# KiCad board jetson-agx-thor-baseboard.kicad_pcb (continued)
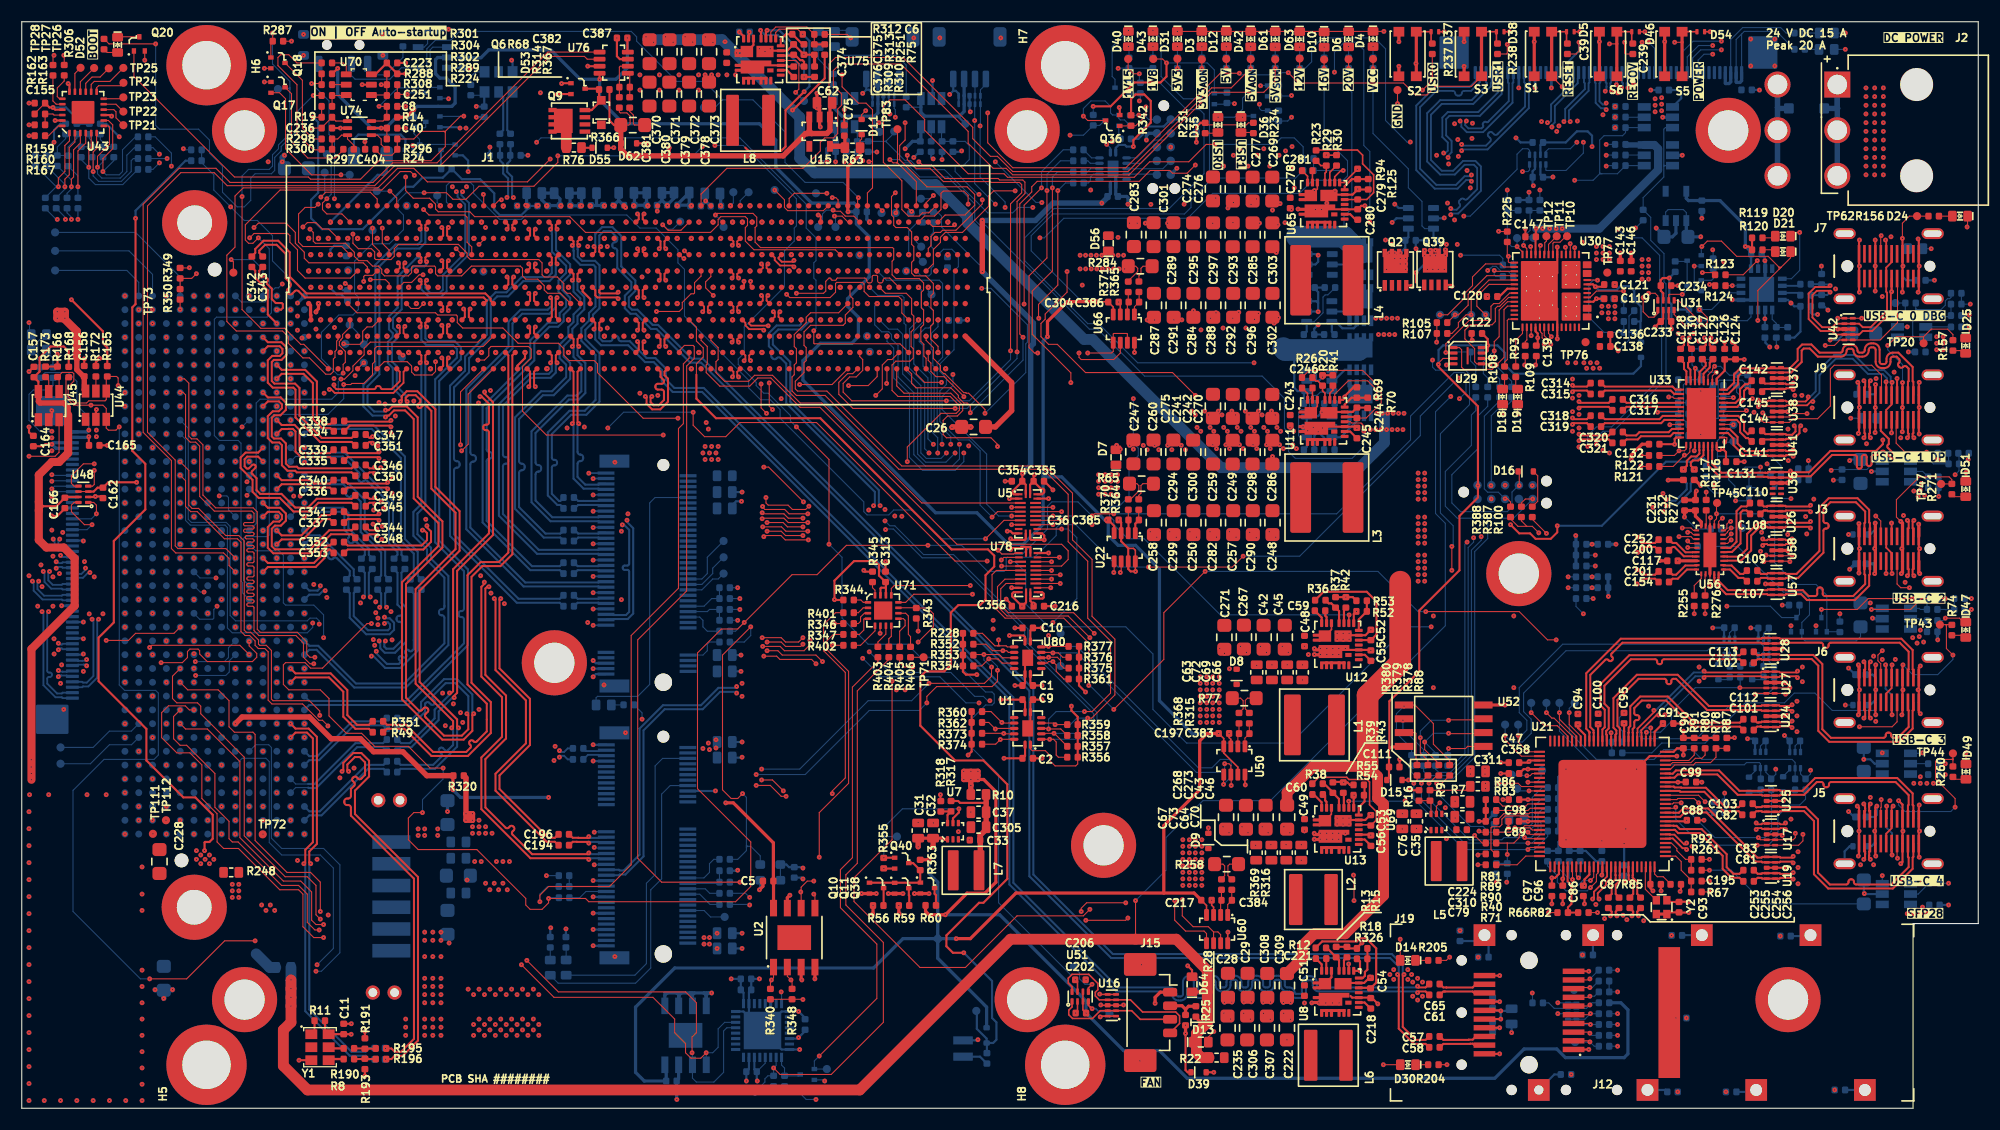
[diagram p0: board, top side]
## Routing (per net, layer and track width the routed paths; a pad name or vN(x,y) marks a point on that pad's centre or on a via; arc(x,y) is an arc through that point) (continued)
/Expansion connector/DP1.TX1-: length 7.1
  Bottom w0.19: J18.Y19 26.45,52.36 27.26,52.36 28.24,51.38 arc(28.31,51.21) 28.24,51.04 28.22,51.01 arc(28.15,50.84) 28.22,50.67 28.3,50.59 arc(28.47,50.52) 28.64,50.59 28.67,50.61 arc(28.84,50.68) 29,50.61 30.17,49.44 30.17,49.02 29.87,48.72 C329.1
/Expansion connector/DP1.TX2+: length 17.2
  Bottom w0.1: 26.34,60.33 25.2,60.33 24.73,60.8
  Bottom w0.19: 26.34,60.33 26.37,60.35 29.69,60.35 34.15,55.89 34.15,52.14 34.93,51.36 34.93,50.93 35.25,50.62 C326.1
/Expansion connector/DP1.TX2-: length 17.2
  Bottom w0.1: 26.35,60 25.2,60 J18.Z13
  Bottom w0.19: 26.35,60 26.37,59.98 29.54,59.98 31.03,58.49 arc(31.1,58.32) 31.03,58.15 31,58.13 arc(30.93,57.96) 31,57.79 31.09,57.7 arc(31.26,57.63) 31.43,57.7 31.45,57.73 arc(31.62,57.8) 31.79,57.73 33.78,55.73 33.78,51.98 34.56,51.2 34.56,50.93 34.25,50.62 C330.1
/Expansion connector/DP1.TX3+: length 10.8
  Bottom w0.1: 26.34,55.25 25.2,55.25 24.73,55.72
  Bottom w0.19: 26.34,55.25 26.37,55.27 29.57,55.27 30.05,54.79 30.05,53.39 31.93,51.51 31.93,50.93 32.25,50.62 C327.1
/Expansion connector/DP1.TX3-: length 10.8
  Bottom w0.1: 26.35,54.92 25.2,54.92 J18.Z17
  Bottom w0.19: 26.35,54.92 26.37,54.9 29.42,54.9 29.68,54.63 29.68,53.23 30.06,52.86 arc(30.13,52.69) 30.06,52.52 30.04,52.49 arc(29.97,52.32) 30.04,52.15 30.12,52.07 arc(30.29,52) 30.46,52.07 30.49,52.09 arc(30.66,52.16) 30.83,52.09 31.56,51.35 31.56,50.93 31.25,50.62 C331.1
/Expansion connector/DP2.AUX+: length 6.2
  Top w0.19: C342.2 21.17,77.41 21.48,77.09 21.48,76.43 22.63,75.28 22.63,73.06 v1(23.47,72.23)
/Expansion connector/DP2.AUX-: length 6.2
  Top w0.19: v1(23.47,73.5) 23.85,73.5 24.02,73.66 24.02,74.01 23.92,74.11 23.37,74.11 23,74.48 23,75.44 22.6,75.84 arc(22.55,75.97) 22.6,76.1 arc(22.65,76.23) 22.6,76.35 22.43,76.52 arc(22.3,76.58) 22.17,76.52 arc(22.05,76.47) 21.92,76.52 21.85,76.59 21.85,77.09 22.17,77.41 C343.2
/Expansion connector/DP2.HPD: length 52.5
  Top w0.1: J1.A19 41.07,65.73 41.07,61.11 v1(40.47,60.51)
  In5.Cu w0.1: v1(40.47,60.51) 39.37,60.51 37.87,59.01 37.87,53.51 35.87,51.51 35.87,44.61 35.47,44.21 35.47,43.51 32.77,40.81 31.97,40.81 29.47,43.31 v1(27.77,43.31)
  Bottom w0.1: J18.C19 21.52,51.31 23.67,51.31 24.07,50.91 24.07,46.51 24.27,46.31 26.87,46.31 27.77,45.41 v1(27.77,43.31)
/Expansion connector/DP2.TX0+: length 9.6
  Top w0.19: v1(23.47,67.15) 23.92,67.6 25.92,67.6 26.78,66.73 26.78,63.43 27.62,62.6 28.39,62.6 28.68,62.31 C334.1
/Expansion connector/DP2.TX0-: length 9.6
  Top w0.19: C338.1 28.68,63.26 28.39,62.97 27.77,62.97 27.15,63.59 27.15,66.89 26.08,67.97 23.92,67.97 v1(23.47,68.42)
/Expansion connector/DP2.TX1+: length 7.7
  Top w0.19: C335.1 28.66,59.61 28.35,59.93 25.69,59.93 25.18,60.43 25.18,62.28 24.94,62.53 24.52,62.53 24.51,62.52 23.92,62.52 v1(23.47,62.07)
/Expansion connector/DP2.TX1-: length 7.7
  Top w0.19: C339.1 28.66,60.61 28.35,60.3 25.85,60.3 25.55,60.59 25.55,62.44 25.1,62.9 24.38,62.9 24.37,62.89 23.92,62.89 v1(23.47,63.34)
/Expansion connector/DP2.TX2+: length 5.7
  Top w0.19: C336.1 28.66,56.81 28.35,57.13 26.74,57.13 26.43,57.44 23.92,57.44 v1(23.47,56.99)
/Expansion connector/DP2.TX2-: length 5.7
  Top w0.19: C340.1 28.66,57.81 28.35,57.5 26.9,57.5 26.59,57.81 23.92,57.81 v1(23.47,58.26)
/Expansion connector/DP2.TX3+: length 6.3
  Top w0.19: v1(23.47,51.91) 23.92,52.36 25.88,52.36 27.75,54.23 28.35,54.23 28.66,53.91 C337.1
/Expansion connector/DP2.TX3-: length 6.3
  Top w0.19: C341.1 28.66,54.91 28.35,54.6 27.59,54.6 25.72,52.73 23.92,52.73 v1(23.47,53.18)
/Expansion connector/DP3.AUX+: length 7.7
  Top w0.19: C352.2 28.66,52.11 28.35,51.8 28.09,51.8 27.48,51.19 27.48,50.79 26.89,50.2 25.73,50.2 25.72,50.19 22.64,50.19 v1(22.2,50.64)
/Expansion connector/DP3.AUX-: length 7.7
  Top w0.19: v1(22.2,49.37) 22.64,49.82 25.86,49.82 25.87,49.83 27.05,49.83 27.85,50.63 27.85,51.03 28.25,51.43 28.35,51.43 28.66,51.11 C353.2
/Expansion connector/DP3.HPD: length 43.6
  Top w0.1: J1.C19 42.45,70.11 32.67,70.11 32.47,69.91 32.47,68.71 32.27,68.51 32.27,67.51 31.47,66.71 30.37,66.71 30.27,66.61 v1(29.62,66.61)
  Bottom w0.1: J18.C22 20.42,48.6 20.42,52.46 20.57,52.61 22.62,52.61 22.77,52.76 22.77,63.46 23.17,63.86 28.17,63.86 29.62,65.31 v1(29.62,66.61)
/Expansion connector/DP3.TX0+: length 15
  Top w0.19: v1(22.2,55.72) 22.64,55.27 23.78,55.27 24.3,54.74 24.3,54.08 23.85,53.63 23.3,53.63 23,53.33 23,51.74 23.3,51.45 26.54,51.45 28.29,53.2 30.35,53.2 30.66,53.51 C344.1
/Expansion connector/DP3.TX0-: length 15
  Top w0.19: v1(22.2,54.45) 22.64,54.9 23.62,54.9 23.93,54.58 23.93,54.24 23.69,54 23.14,54 22.63,53.49 22.63,51.58 23.14,51.08 26.7,51.08 28.45,52.83 30.35,52.83 30.66,52.51 C348.1
/Expansion connector/DP3.TX1+: length 16.7
  Top w0.19: C345.1 30.66,55.41 30.35,55.73 27.3,55.73 26.5,54.93 24.99,54.93 23.74,56.18 21.79,56.18 21.23,56.73 21.23,57.83 20.13,58.93 20.13,59.89 20.59,60.35 21.75,60.35 v1(22.2,60.8)
/Expansion connector/DP3.TX1-: length 16.7
  Top w0.19: C349.1 30.66,56.41 30.35,56.1 27.14,56.1 26.34,55.3 25.15,55.3 23.9,56.55 21.95,56.55 21.6,56.89 21.6,57.99 21.18,58.41 arc(21.14,58.52) 21.18,58.63 21.49,58.94 arc(21.54,59.05) 21.49,59.16 21.44,59.21 arc(21.33,59.26) 21.22,59.21 20.91,58.9 arc(20.8,58.86) 20.69,58.9 20.5,59.09 20.5,59.73 20.75,59.98 21.75,59.98 v1(22.2,59.53)
/Expansion connector/DP3.TX2+: length 16.6
  Top w0.19: C346.1 30.66,59.21 30.35,58.9 25.47,58.9 25.32,59.05 24.6,59.05 24.3,59.34 24.3,61.19 23.85,61.65 23.2,61.65 23,61.84 23,63.53 23.25,63.78 23.8,63.78 24.3,64.28 24.3,64.94 23.82,65.43 22.64,65.43 v1(22.2,65.88)
/Expansion connector/DP3.TX2-: length 16.6
  Top w0.19: C350.1 30.66,58.21 30.35,58.53 25.3,58.53 25.15,58.68 24.44,58.68 23.93,59.18 23.93,61.03 23.69,61.28 23.04,61.28 22.63,61.68 22.63,63.69 23.09,64.15 23.64,64.15 23.93,64.44 23.93,64.78 23.66,65.06 22.64,65.06 v1(22.2,64.61)
/Expansion connector/DP3.TX3+: length 18.1
  Top w0.19: C347.1 30.66,62.01 30.35,61.7 27.6,61.7 25.55,63.74 25.55,66.29 25.15,66.7 23.25,66.7 23,66.94 23,68.68 23.2,68.88 23.9,68.88 24.35,69.33 24.35,70.04 23.89,70.51 22.64,70.51 v1(22.2,70.96)
/Expansion connector/DP3.TX3-: length 18.1
  Top w0.19: v1(22.2,69.69) 22.64,70.14 23.73,70.14 23.98,69.88 23.98,69.49 23.74,69.25 23.04,69.25 22.63,68.84 22.63,66.78 23.09,66.33 24.99,66.33 25.18,66.13 25.18,63.58 27.44,61.33 30.35,61.33 30.66,61.01 C351.1
/Expansion connector/FMC_PG_C2M: length 93.7
  Top w0.1: v1(21.77,80.11) 21.27,79.61 20.87,79.61 20.57,79.91 20.57,81.31 23.77,84.51 33.12,84.51 34.82,86.21 35.77,86.21 v1(36.12,85.86) ; J1.B59 80.8,70.36 72.92,70.36 72.87,70.41 v1(72.87,71.56)
  In5.Cu w0.1: v1(47.37,88.91) 46.07,90.21 v1(40.87,90.21)
  In7.Cu w0.1: v1(36.12,85.86) 36.52,85.86 v1(40.87,90.21)
  Bottom w0.1: v1(47.37,88.91) 47.77,89.31 66.07,89.31 72.17,83.21 72.17,81.01 73.07,80.11 73.07,78.01 72.87,77.81 72.87,76.41 73.07,76.21 73.07,71.76 v1(72.87,71.56) ; J18.D01 20.21,74.21 22.37,74.21 22.77,74.61 22.77,79.11 v1(21.77,80.11)
/Expansion connector/FMC_PG_M2C: length 17.2
  Top w0.1: J1.J4 28.25,80.91 27.67,80.91 27.07,81.51 26.27,81.51 v1(25.87,81.11)
  In7.Cu w0.1: v1(17.11,74.77) 17.11,75.56 17.47,75.91 18.27,75.91 20.07,77.71 20.07,80.11 20.47,80.51 25.27,80.51 v1(25.87,81.11)
/Expansion connector/FMC_PRESENT: length 123.4
  Top w0.1: v1(78.57,65.61) 79.17,66.21 79.17,68.41 79.67,68.91 80.05,68.91 J1.B58 ; v1(71.92,55.81) 68.72,59.01 v1(68.27,59.01) ; v1(41.97,68.86) 42.57,68.86 42.97,69.26 42.97,69.91 43.17,70.11 46.62,70.11 46.87,69.86 46.87,69.06 46.07,68.26 46.07,64.16 48.27,61.96 v1(59.02,61.96)
  In5.Cu w0.1: v1(19.22,82.96) 19.57,83.31 26.07,83.31 27.52,84.76 28.72,84.76 29.47,84.01 34.72,84.01 35.37,84.66 37.62,84.66 38.32,83.96 41.52,83.96 42.77,82.71 42.77,81.16 v1(42.67,81.06) ; v1(59.02,61.96) 61.97,59.01 v1(68.27,59.01) ; v1(78.57,65.61) 72.92,59.96 72.92,56.81 v1(71.92,55.81)
  In7.Cu w0.1: v1(41.97,68.86) 41.72,69.11 41.72,70.06 44.92,73.26 44.92,75.51 43.87,76.56 43.87,77.76 46.02,79.91 46.02,80.86 44.52,82.36 43.42,82.36 42.77,81.71 42.77,81.16 v1(42.67,81.06)
  Bottom w0.1: J18.Z01 24.73,76.32 23.07,77.99 23.07,80.31 21.67,81.71 20.47,81.71 17.67,84.51 17.67,85.91 16.55,87.03 R275.1 R319.1
/Expansion connector/FMC_PRSNT_M2C_L: length 74.8
  Top w0.1: R350.2 R349.1 15.64,76.38 v1(16.07,76.81) ; v1(35.32,85.71) 35.32,84.46 36.02,83.76 37.52,83.76 38.07,83.21 38.07,82.76 38.32,82.51 41.22,82.51 41.67,82.06 50.42,82.06 51.87,80.61 63.37,80.61 64.07,81.31 64.07,81.81 64.32,82.06 66.57,82.06 66.77,81.86 66.77,81.26 66.57,81.06 66.57,79.81 67.37,79.01 74.85,79.01 J1.H52
  In7.Cu w0.1: v1(16.07,76.81) 16.62,76.26 18.32,76.26 19.67,77.61 19.67,80.71 23.87,84.91 30.22,84.91 31.02,85.71 v1(35.32,85.71)
/Expansion connector/GPIO.18: length 84.7
  Top w0.1: v1(7.77,43.06) 9.82,43.06 10.47,43.71 14,43.71 v1(14.58,44.29) ; v1(42.07,79.51) 42.5,79.94 J1.J18
  In5.Cu w0.1: v1(7.77,43.06) 8.27,43.56 8.27,61.31 7.67,61.91 7.67,68.08 7.89,68.29 7.89,68.94 7.42,69.41 7.42,70.76 8.07,71.41 8.07,75.51 8.77,76.21 18.57,76.21 19.69,77.34 19.69,81.19 20.97,82.46 34.12,82.46 35.37,83.71 40.37,83.71 40.92,83.16 40.92,82.06 42.47,80.51 42.47,79.91 v1(42.07,79.51)
/Expansion connector/GPIO.20: length 77.5
  Top w0.1: J1.H5 29.45,79.31 25.87,79.31 25.47,79.71 25.47,82.31 26.07,82.91 26.97,82.91 v1(27.27,83.21)
  In5.Cu w0.1: v1(14.58,43.02) 13.37,41.81 13.37,40.86 12.82,40.31 10.57,40.31 9.82,41.06 9.02,41.06 7.27,42.81 7.27,43.66 7.87,44.26 7.87,60.31 7.27,60.91 7.27,67.96 6.77,68.46 6.77,70.91 7.67,71.81 7.67,75.68 10.1,78.11 17.47,78.11 19.27,79.91 19.27,81.41 20.77,82.91 26.97,82.91 v1(27.27,83.21)
/Expansion connector/GPIO.21: length 78.6
  Top w0.1: v1(20.92,42.96) 20.92,42.56 21.62,41.86 21.62,41.51 21.22,41.11 17.07,41.11 16.37,41.81 16.37,42.11 16.22,42.26 15.47,42.26 15.24,42.04 15.24,41.49 14.77,41.01 v1(12.82,41.01) ; J1.K6 v1(31.09,81.56)
  In5.Cu w0.1: v1(12.82,41.01) 10.37,41.01 8.67,42.71 8.67,61.51 8.07,62.11 8.07,67.91 8.47,68.31 8.47,75.34 9.02,75.89 19.05,75.89 20.07,76.91 20.07,81.11 21.02,82.06 26.67,82.06 27.62,81.11 30.64,81.11 v1(31.09,81.56)
/Expansion connector/GPIO.27: length 72.1
  Top w0.1: v1(20.92,41.76) 20.07,42.61 11.97,42.61 v1(11.77,42.41) ; J1.J5 v1(29.99,80.06)
  In5.Cu w0.1: v1(29.99,80.06) 29.19,80.86 27.32,80.86 26.47,81.71 21.32,81.71 20.57,80.96 20.57,76.66 19.45,75.54 9.24,75.54 8.87,75.18 8.87,68.14 8.47,67.74 8.47,62.51 9.07,61.91 9.07,43.21 9.87,42.41 v1(11.77,42.41)
  Bottom w0.1: J18.C27 20.92,41.75 v1(20.92,41.76)
/Expansion connector/GPIO.MCLK01: length 23.5
  Top w0.1: J1.H9 33.8,78.98 33.17,79.61 v1(33.17,81.01)
  In5.Cu w0.1: v1(15.84,73.5) 16.46,74.11 20.87,74.11 25.97,79.21 31.67,79.21 32.27,79.81 32.27,80.41 32.87,81.01 v1(33.17,81.01)
/Expansion connector/GPIO.MCLK02: length 74.4
  In5.Cu w0.1: v1(76.9,80.06) 76.9,82.61 76.3,83.21 74.37,83.21 73.57,84.01 66.97,84.01 66.37,84.61 43.57,84.61 43.07,84.11 43.07,79.61 42.47,79.01 41.77,79.01 40.97,79.81 40.97,80.26 40.67,80.56 39.27,80.56 38.12,79.41 34.52,79.41 34.07,78.96 31.37,78.96 30.57,78.16 25.27,78.16 21.72,74.61 21.72,73.56 21.07,72.91 16.53,72.91 v1(15.84,72.23)
/Expansion connector/GPIO.MCLK03: length 101
  In5.Cu w0.1: v1(76.2,78.56) 76.47,78.83 76.47,80.61 75.67,81.41 74.77,81.41 73.87,82.31 73.87,82.81 73.17,83.51 66.57,83.51 65.87,84.21 44.17,84.21 43.67,83.71 43.67,82.81 44.07,82.41 44.07,81.21 43.77,80.91 43.77,79.81 42.97,79.01 42.97,78.51 42.57,78.11 41.77,78.11 40.27,79.61 38.87,79.61 38.27,79.01 34.77,79.01 33.67,77.91 26.67,77.91 24.62,75.86 v1(23.97,75.86)
  Bottom w0.1: v1(23.97,75.86) 23.62,75.51 23.32,75.51 22.97,75.16 22.97,73.21 22.57,72.81 17.92,72.81 17.72,72.61 17.72,61.91 18.17,61.46 19.92,61.46 20.17,61.21 20.17,48.51 20.32,48.36 20.32,47.43 J18.C23
/Expansion connector/GPIO.USER_BTN0: length 217.7
  Top w0.1: v1(83.2,71.06) 83.2,70.68 83.87,70.01 83.87,69.01 84.52,68.36 84.52,67.91 84.82,67.61 84.92,67.61 86.67,65.86 86.85,65.86 86.9,65.81 87.12,65.81 88.62,64.31 v1(88.62,63.96)
  Top w0.15: R237.1 129.66,98.1 D37.2 S2.1
  Top w0.3: S2.2 S2.1
  In2.Cu w0.1: v1(133.42,89.26) 133.07,89.61 131.97,89.61 131.67,89.31 119.64,89.31 117.45,87.13 116.93,87.13 116.32,86.51 116.32,85.85 111.58,81.11 111.15,81.11 105.25,75.21 88.57,75.21 v1(88.32,75.46)
  In5.Cu w0.1: v1(83.2,71.06) 83.85,70.41 84.37,70.41 84.77,70.01 84.77,69.5 84.46,69.18 84.21,69.18 83.61,68.59 83.29,68.59 82.79,68.09 82.79,65.14 76.47,58.81 76.47,53.91 75.67,53.11 75.67,41.19 73.19,38.71 73.17,38.71 73.17,33.19 68.49,28.51 66.07,28.51 65.47,29.11 65.47,30.11 64.57,31.01 47.97,31.01 46.17,32.81 28.69,32.81 26.59,30.71 19.25,30.71 18.87,31.09 18.87,31.89 18.75,32.01 16.75,32.01 16.42,32.34 16.42,44.56 14.97,46.01 14.97,47.7 v1(14.58,48.1)
  In7.Cu w0.1: v1(128.27,96.16) 130.57,96.16 133.97,92.76 133.97,89.81 v1(133.42,89.26)
  Bottom w0.1: v1(88.62,63.96) 92.37,67.71 92.37,70.36 92.52,70.51 92.52,72.11 89.17,75.46 v1(88.32,75.46)
/Expansion connector/GPIO.USER_BTN1: length 193.8
  Top w0.1: v1(21.37,81.06) 21.77,81.46 24.32,81.46 25.17,80.61 25.17,79.61 25.99,78.79 25.99,78.24 26.42,77.81 31.42,77.81 31.8,77.43 J1.G7 ; v1(112.02,95.26) 110.27,95.26 101.57,86.56 91.17,86.56 88.87,88.86 v1(88.87,91.61) ; v1(116.52,95.31) 117.47,94.36 127.12,94.36 128.22,93.26 129.27,93.26 130.07,94.06 133.38,94.06 S3.2
  Top w0.15: S3.1 D38.2 135.67,98.09 R238.1
  Top w0.3: S3.2 S3.1
  In5.Cu w0.1: v1(21.37,81.06) 21.37,76.66 19.97,75.26 14.37,75.26 13.87,74.76 13.87,70.16 14.17,69.86 14.17,57.81 14.54,57.44 14.99,57.44 15.24,57.19 15.24,54.56 15.02,54.34 15.02,51.76 14.67,51.41 14.59,51.41 13.99,50.81 13.99,47.41 v1(14.58,46.83) ; v1(47.72,93.46) 48.97,94.71 50.52,94.71 52.62,92.61 79.87,92.61 80.12,92.86 87.32,92.86 88.57,91.61 v1(88.87,91.61)
  In7.Cu w0.1: v1(47.72,93.46) 44.62,90.36 44.62,87.06 41.27,83.71 34.04,83.71 33.59,84.16 30.37,84.16 28.82,82.61 22.92,82.61 v1(21.37,81.06)
  Bottom w0.1: v1(116.52,95.31) 115.92,95.31 115.72,95.11 112.17,95.11 v1(112.02,95.26)
/Expansion connector/GPIO.USER_LED0: length 148.3
  Top w0.1: v1(87.27,64.01) 87.27,64.61 86.97,64.91 86.67,64.91 86.17,65.41 86.17,65.61 85.47,66.31 82.27,66.31 81.87,66.71 81.87,67.59 J1.A59 ; v1(92.12,70.96) 91.82,71.26 91.82,83.24 92.92,84.34 92.92,84.81 93.42,85.31 102.82,85.31 103.82,86.31 105.62,86.31 105.87,86.06 107.22,86.06 v1(107.97,86.81)
  In2.Cu w0.1: v1(14.58,51.91) 13.77,52.71 13.77,59.71 14.27,60.21 26.57,60.21 29.07,62.71 31.27,62.71 32.47,63.91 32.47,65.09 32.74,65.36 33.02,65.36 33.17,65.21 33.62,65.21 34.32,64.51 42.27,64.51 42.87,65.11 59.27,65.11 60.27,66.11 85.37,66.11 86.46,65.02 87.03,65.02 87.27,64.79 v1(87.27,64.01)
  In7.Cu w0.1: v1(113.97,94.11) 110.92,94.11 108.97,92.16 108.97,88.61 107.97,87.61 v1(107.97,86.81)
  Bottom w0.1: R229.2 115.63,94.13 Q13.1 113.99,94.13 v1(113.97,94.11) ; v1(92.12,70.96) 92.12,68.86 v1(87.27,64.01)
/Expansion connector/GPIO.USER_LED1: length 184
  Top w0.1: v1(80.37,84.26) 80.02,83.91 80.02,82.21 80.22,82.01 80.22,81.26 80.42,81.06 81.47,81.06 81.87,80.66 81.87,79.51 82.07,79.31 82.07,78.06 81.87,77.86 81.87,76.86 82.12,76.61 83.17,76.61 83.87,75.91 83.87,74.99 83.64,74.76 83.64,73.66 83.87,73.44 83.87,72.24 83.62,71.99 83.62,70.81 84.3,70.13 v1(84.3,69.56)
  In2.Cu w0.1: v1(80.37,84.26) 83.12,84.26 83.27,84.41 84.02,84.41 84.42,84.01 84.42,82.56 84.97,82.01 87.32,82.01 88.02,81.31 89.07,81.31 89.62,81.86 103.57,81.86 105.08,83.37 105.08,85.12 105.53,85.57 107.28,85.57 113.87,92.16 v1(113.87,92.41)
  In5.Cu w0.1: v1(84.3,69.56) 83.71,68.97 83.18,68.97 82.53,68.32 82.53,65.3 76.17,58.93 76.17,54.03 75.37,53.23 75.37,41.31 72.87,38.81 72.87,33.31 68.87,29.31 66.47,29.31 65.87,29.91 65.87,30.31 64.87,31.31 48.09,31.31 46.29,33.11 28.57,33.11 26.47,31.01 19.37,31.01 19.17,31.21 19.17,32.01 18.87,32.31 16.87,32.31 16.67,32.51 16.67,44.61 15.27,46.01 15.27,49.26 14.58,49.95 v1(14.58,50.64)
  Bottom w0.1: v1(113.87,92.41) 113.87,92.01 114.05,91.82 Q14.1 115.63,91.82 R233.2
/Expansion connector/I2C0.SCL: length 98.1
  Top w0.1: U2.6 71.7,20.34 72.27,20.91 v1(72.87,20.91) ; R374.2 89.6,33.51 v1(90.03,33.94) 90.05,33.96 U1.13
  In7.Cu w0.1: v1(71.67,19.91) 71.67,19.01 70.57,17.91 59.67,17.91 57.57,15.81 41.34,15.81 27.77,29.38 27.77,31.33 25.49,33.61 22.99,33.61 21.67,34.93 21.67,37.19 v1(20.92,37.94) ; v1(72.87,20.91) 72.87,22.51 72.67,22.71 72.67,27.71 74.87,29.91 82.67,29.91 86.87,34.11 89.47,34.11 89.67,33.91 90,33.91 v1(90.03,33.94)
/Expansion connector/I2C0.SDA: length 98.7
  Top w0.1: R373.2 90.34,34.51 v1(90.35,34.5) 90.39,34.46 U1.12 ; U2.5 72.97,19.61 v1(72.87,19.71)
  In7.Cu w0.1: v1(90.35,34.5) 90.29,34.44 86.8,34.44 82.55,30.19 74.75,30.19 72.39,27.83 72.39,20.19 v1(72.87,19.71) 72.97,19.61 72.97,18.71 71.87,17.61 59.79,17.61 57.69,15.51 41.12,15.51 27.47,29.16 27.47,31.21 25.37,33.31 22.87,33.31 21.37,34.81 21.37,36.41 21.11,36.67 v1(20.92,36.67)
/Expansion connector/I2C7.SCL: length 69.6
  Top w0.1: v1(30.47,80.46) 30.47,79.61 30.97,79.11 32.17,79.11 32.47,78.81 32.47,78.21 32.57,78.11 33.97,78.11 34.27,78.41 34.27,79.11 34.67,79.51 40.17,79.51 40.77,78.91 40.77,78.91 40.97,78.71 40.97,78.41 41.27,78.11 47.57,78.11 47.87,77.81 47.87,76.71 48.07,76.51 49.27,76.51 49.87,75.91 49.87,75.31 50.17,75.01 50.45,75.01 J1.E27
  In7.Cu w0.1: v1(30.47,80.46) 30.47,79.81 30.17,79.51 26.45,79.51 21.37,74.43 21.37,70.81 21.07,70.51 20.65,70.51 18.97,68.83 18.97,46.61 19.66,45.92 v1(19.66,45.56)
/Expansion connector/I2C7.SDA: length 77.1
  Top w0.1: J1.E26 49.55,75.01 48.37,75.01 48.07,75.31 48.07,75.71 47.47,76.31 46.37,76.31 46.07,76.61 46.07,77.31 45.87,77.51 41.37,77.51 40.47,76.61 38.27,76.61 38.07,76.81 38.07,77.41 37.97,77.51 35.97,77.51 35.87,77.41 35.87,76.91 35.57,76.61 33.37,76.61 33.12,76.86 33.12,77.21 32.82,77.51 32.27,77.51 31.77,78.01 31,78.01 30.6,78.41 30.6,78.78 29.77,79.61 27.02,79.61 26.82,79.81 26.82,80.61 v1(26.52,80.91)
  In7.Cu w0.1: v1(26.52,80.91) 30.97,80.91 31.37,80.51 31.37,79.71 30.87,79.21 26.57,79.21 21.67,74.31 21.67,70.69 21.19,70.21 20.77,70.21 19.27,68.71 19.27,47.61 19.66,47.22 v1(19.66,46.83)
/Expansion connector/I2C8.SCL: length 130.3
  Top w0.1: v1(70.32,28.71) 69.87,28.71 68.86,29.72 v1(67.57,29.72)
  In5.Cu w0.1: v1(75.3,75.56) 74.67,74.93 74.67,73.51 74.87,73.31 74.87,72.11 74.67,71.91 74.67,70.51 74.87,70.31 74.87,68.91 74.67,68.71 74.67,66.91 69.92,62.16 69.92,52.16 68.07,50.31 68.07,45.88 70.47,43.48 70.47,41.14 69.67,40.34 69.67,30.91 68.48,29.72 v1(67.57,29.72) ; v1(15.97,41.11) 15.37,41.11 15.06,40.8 15.06,30.1 15.55,29.61 26.89,29.61 29.39,32.11 45.95,32.11 47.65,30.41 62.47,30.41 62.77,30.11 63.45,30.11 65.6,27.96 69.57,27.96 v1(70.32,28.71)
  Bottom w0.1: J18.D26 19.02,42.38 19.02,41.49 18.64,41.11 v1(15.97,41.11)
/Expansion connector/I2C8.SDA: length 125.7
  Top w0.1: v1(68.07,30.22) 69.06,30.22 v1(70.07,29.21)
  In5.Cu w0.1: v1(70.07,29.21) 69.07,28.21 65.82,28.21 63.52,30.51 63.17,30.51 62.97,30.71 47.77,30.71 46.07,32.41 29.27,32.41 26.77,29.91 15.67,29.91 15.36,30.22 15.36,39.5 15.67,39.81 15.97,39.81 v1(15.99,39.84) ; v1(74.4,75.56) 74.02,75.18 74.02,72.16 73.82,71.96 73.82,70.71 73.97,70.56 73.97,69.36 73.77,69.16 73.77,67.31 72.32,65.86 72.32,65.16 69.67,62.51 69.67,52.21 67.57,50.11 67.57,45.81 70.07,43.31 70.07,41.31 69.27,40.51 69.27,31.42 v1(68.07,30.22)
  Bottom w0.1: J18.D27 19.09,41.18 19.09,40.16 18.77,39.84 v1(15.99,39.84)
/Expansion connector/I2S2.CLK: length 19
  Top w0.1: J1.G4 v1(29.07,77.06)
  In5.Cu w0.1: v1(15.84,68.42) 16.47,69.04 16.47,71.21 16.72,71.46 23.37,71.46 25.87,73.96 25.87,75.51 26.44,76.09 28.09,76.09 v1(29.07,77.06)
/Expansion connector/I2S2.FS: length 18
  In5.Cu w0.1: v1(29.1,74.06) 28.7,74.46 27.92,74.46 27.72,74.26 27.72,73.86 27.52,73.66 26.82,73.66 23.67,70.51 16.97,70.51 16.67,70.21 16.67,68.56 15.84,67.74 v1(15.84,67.15)
/Expansion connector/I2S2.SDIN: length 24
  Top w0.1: J1.F6 v1(31.12,75.56)
  In5.Cu w0.1: v1(31.12,75.56) 31.12,74.41 30.02,73.31 29.37,73.31 27.67,71.61 27.67,70.51 26.42,69.26 18.37,69.26 17.92,68.81 17.92,68.11 17.57,67.76 17.02,67.76 16.62,67.36 16.62,65.06 16.42,64.86 16.42,63.91 v1(15.84,63.34)
/Expansion connector/I2S2.SDOUT: length 23
  Top w0.1: v1(29.76,75.91) 29.85,75.91 J1.F5
  In5.Cu w0.1: v1(29.76,75.91) 29.76,75.01 29.97,74.8 29.97,73.96 29.67,73.66 28.02,73.66 24.57,70.21 18.07,70.21 17.57,69.71 17.57,68.31 17.27,68.01 16.57,68.01 16.28,67.73 16.28,65.04 v1(15.84,64.61)
/Expansion connector/I2S3.CLK: length 40.7
  Top w0.1: J1.H16 39.97,79.09 v1(39.97,79.11)
  In5.Cu w0.1: v1(39.97,79.11) 40.07,79.01 40.07,78.01 39.57,77.51 35.82,77.51 35.67,77.36 34.12,77.36 33.97,77.51 28.87,77.51 28.67,77.31 28.67,76.96 28.22,76.51 26.37,76.51 25.17,75.31 25.17,74.56 23.37,72.76 22.12,72.76 21.17,71.81 16.77,71.81 16.42,71.46 15.77,71.46 15.42,71.11 15.42,61.22 v1(15.84,60.8)
/Expansion connector/I2S3.FS: length 38.5
  In5.Cu w0.1: v1(42.5,77.06) 42.5,77.04 42.07,76.61 38.22,76.61 37.42,75.81 36.27,75.81 35.47,76.61 33.77,76.61 30.57,73.41 30.57,72.51 26.94,68.89 19.44,68.89 17.69,67.14 17.69,65.79 16.66,64.75 16.66,60.34 v1(15.84,59.53)
/Expansion connector/I2S3.SDIN: length 43.1
  In5.Cu w0.1: v1(43.4,77.06) 42.45,76.11 38.17,76.11 37.62,75.56 36.17,75.56 35.72,76.01 33.87,76.01 31.37,73.51 31.37,70.96 28.17,67.76 19.62,67.76 17.99,66.14 17.99,65.34 17.57,64.91 17.57,60.61 16.47,59.51 16.47,56.34 v1(15.84,55.72)
/Expansion connector/I2S3.SDOUT: length 53.2
  Top w0.1: J1.H17 41.4,79.28 40.97,79.71 40.97,82.01 40.77,82.21 37.47,82.21 v1(36.97,82.71)
  In5.Cu w0.1: v1(15.84,56.99) 15.07,57.76 15.07,69.91 14.17,70.81 14.17,73.71 14.77,74.31 19.87,74.31 26.07,80.51 28.67,80.51 29.57,79.61 31.07,79.61 31.37,79.91 31.37,80.91 32.52,82.06 34.52,82.06 34.77,82.31 36.57,82.31 v1(36.97,82.71)
/Expansion connector/PCIe_{C2x1}.CLK+: length 36.2
  Top w0.19: v1(24.73,34.13) 25.19,34.58 26.24,34.58 26.78,34.03 26.78,24.49 26.08,23.79 26.08,22.64 v1(25.95,22.51)
  Bottom w0.19: v1(25.95,22.51) 26.08,22.38 26.08,8.93 30.18,4.84 31.64,4.84 31.98,4.5 R201.1
/Expansion connector/PCIe_{C2x1}.CLK-: length 36.2
  Top w0.19: v1(26.58,22.51) 26.45,22.64 26.45,23.63 27.15,24.33 27.15,34.19 26.4,34.95 25.19,34.95 v1(24.73,35.4)
  Bottom w0.19: R202.1 31.98,5.54 31.64,5.21 30.34,5.21 26.45,9.09 26.45,22.38 v1(26.58,22.51)
/Expansion connector/PCIe_{C2x1}.RX0+: length 50.4
  Top w0.19: J1.B21 45.14,69.3 45.14,50.99 44.05,49.9 42.37,49.9 41.38,48.91 41.38,39.16 43.15,37.39 43.15,34.53 41.05,32.43 37.69,32.43 35.19,34.93 33.59,34.93 33.27,34.61 R351.1
/Expansion connector/PCIe_{C2x1}.RX0-: length 50.4
  Top w0.19: J1.B20 44.77,69.3 44.77,51.14 43.89,50.27 42.22,50.27 41.01,49.06 41.01,39.01 42.78,37.23 42.78,34.69 41.85,33.75 arc(41.72,33.7) 41.6,33.75 41.52,33.82 arc(41.4,33.88) 41.27,33.82 41.21,33.76 arc(41.15,33.63) 41.21,33.51 41.28,33.43 arc(41.33,33.31) 41.28,33.18 40.89,32.8 37.85,32.8 35.35,35.3 33.59,35.3 33.27,35.61 R49.1
/Expansion connector/PCIe_{C2x1}.TX0+: length 58.1
  Top w0.19: J1.K21 45.14,81.3 45.14,81.03 v1(45.25,80.91) ; v1(39.78,37.8) 39.78,37.96 40.05,38.23 40.05,49.46 43.35,52.76 43.35,64.99 42.58,65.76 v1(42.58,65.92)
  In7.Cu w0.15: v1(42.58,65.92) 42.35,65.92 41.11,67.17 41.11,72.07 40.21,72.97 40.21,73.57 39.86,73.92 39.86,74.5 41.21,75.85 41.21,77.45 41.53,77.77 42.53,77.77 43.21,78.45 43.21,78.85 43.53,79.17 44.53,79.17 45.09,79.73 45.09,80.75 v1(45.25,80.91)
  Bottom w0.19: C213.1 34.57,32.91 34.9,33.24 35.86,33.24 38.35,35.73 38.35,36.53 39.62,37.8 v1(39.78,37.8)
/Expansion connector/PCIe_{C2x1}.TX0-: length 58.1
  Top w0.19: J1.K20 44.77,81.3 44.77,81.03 v1(44.65,80.91) ; v1(42.16,65.5) 42.32,65.5 42.98,64.83 42.98,63.11 arc(42.93,62.97) 42.78,62.91 42.67,62.91 arc(42.53,62.85) 42.47,62.71 42.47,62.61 arc(42.53,62.47) 42.67,62.41 42.78,62.41 arc(42.93,62.35) 42.98,62.21 42.98,52.91 39.68,49.61 39.68,38.39 39.52,38.22 v1(39.36,38.22)
  In7.Cu w0.15: v1(42.16,65.5) 42.16,65.73 40.83,67.05 40.83,71.95 39.93,72.85 39.93,73.45 39.58,73.8 39.58,74.62 40.93,75.97 40.93,77.57 41.41,78.05 42.41,78.05 42.93,78.57 42.93,78.97 43.41,79.45 44.41,79.45 44.81,79.85 44.81,80.75 v1(44.65,80.91)
  Bottom w0.19: C214.1 34.57,33.93 34.9,33.61 35.7,33.61 37.98,35.89 37.98,36.69 39.36,38.06 v1(39.36,38.22)
/Expansion connector/PCIe_{C2x1}.~{CLKREQ}: length 34.8
  Top w0.1: v1(36.97,74.06) 36.52,73.61 35.82,73.61 35.4,74.03 J1.E11
  In5.Cu w0.1: v1(36.97,74.06) 36.97,73.01 34.97,71.01 34.97,70.51 34.48,70.02 34.48,68.7 34.33,68.55 34.33,68.17 33.36,67.2 32.98,67.2 27.49,61.71 26.07,61.71 25.27,60.91 25.27,59.51 26.92,57.86 26.92,55.56 26.32,54.96 25.12,54.96 23.87,56.21 22.32,56.21 22.12,56.41 v1(20.72,56.41)
  Bottom w0.1: v1(20.72,56.41) 20.92,56.62 J18.C15
/Expansion connector/PCIe_{C2x1}.~{RST}: length 30.7
  Top w0.1: J1.D10 v1(34.72,72.56)
  In5.Cu w0.1: v1(20.72,57.66) 22.22,57.66 23.34,56.54 24.04,56.54 25.27,55.31 26.22,55.31 26.52,55.61 26.52,57.66 24.73,59.44 24.73,60.8 25.95,62.01 27.37,62.01 32.77,67.41 32.77,67.81 34.17,69.21 34.17,70.11 34.67,70.61 34.67,71.01 34.17,71.51 34.17,72.01 v1(34.72,72.56)
  Bottom w0.1: J18.C14 20.92,57.87 v1(20.72,57.66)
/Expansion connector/PCIe_{C3x2}.CLK+: length 44.1
  Top w0.19: v1(47.25,75) 47.14,74.89 47.14,74.33 J1.E23
  In5.Cu w0.15: v1(47.25,75) 47.25,74.89 46.87,74.51 46.27,74.51 46.01,74.77 40.3,74.77 39.91,74.38 39.91,73.64 40.36,73.19 40.36,71.98 38.6,70.22 37.28,70.22 29.61,62.55 29.61,49.58 27.92,47.89 v1(27.92,47.64)
  Bottom w0.19: v1(27.92,47.64) 27.73,47.64 27.37,47.28 26.45,47.28 J18.Y23